# Altium PCB CSI2-ZCU106-EVK_Rev01.PcbDoc (part 4 of 4) (continued)
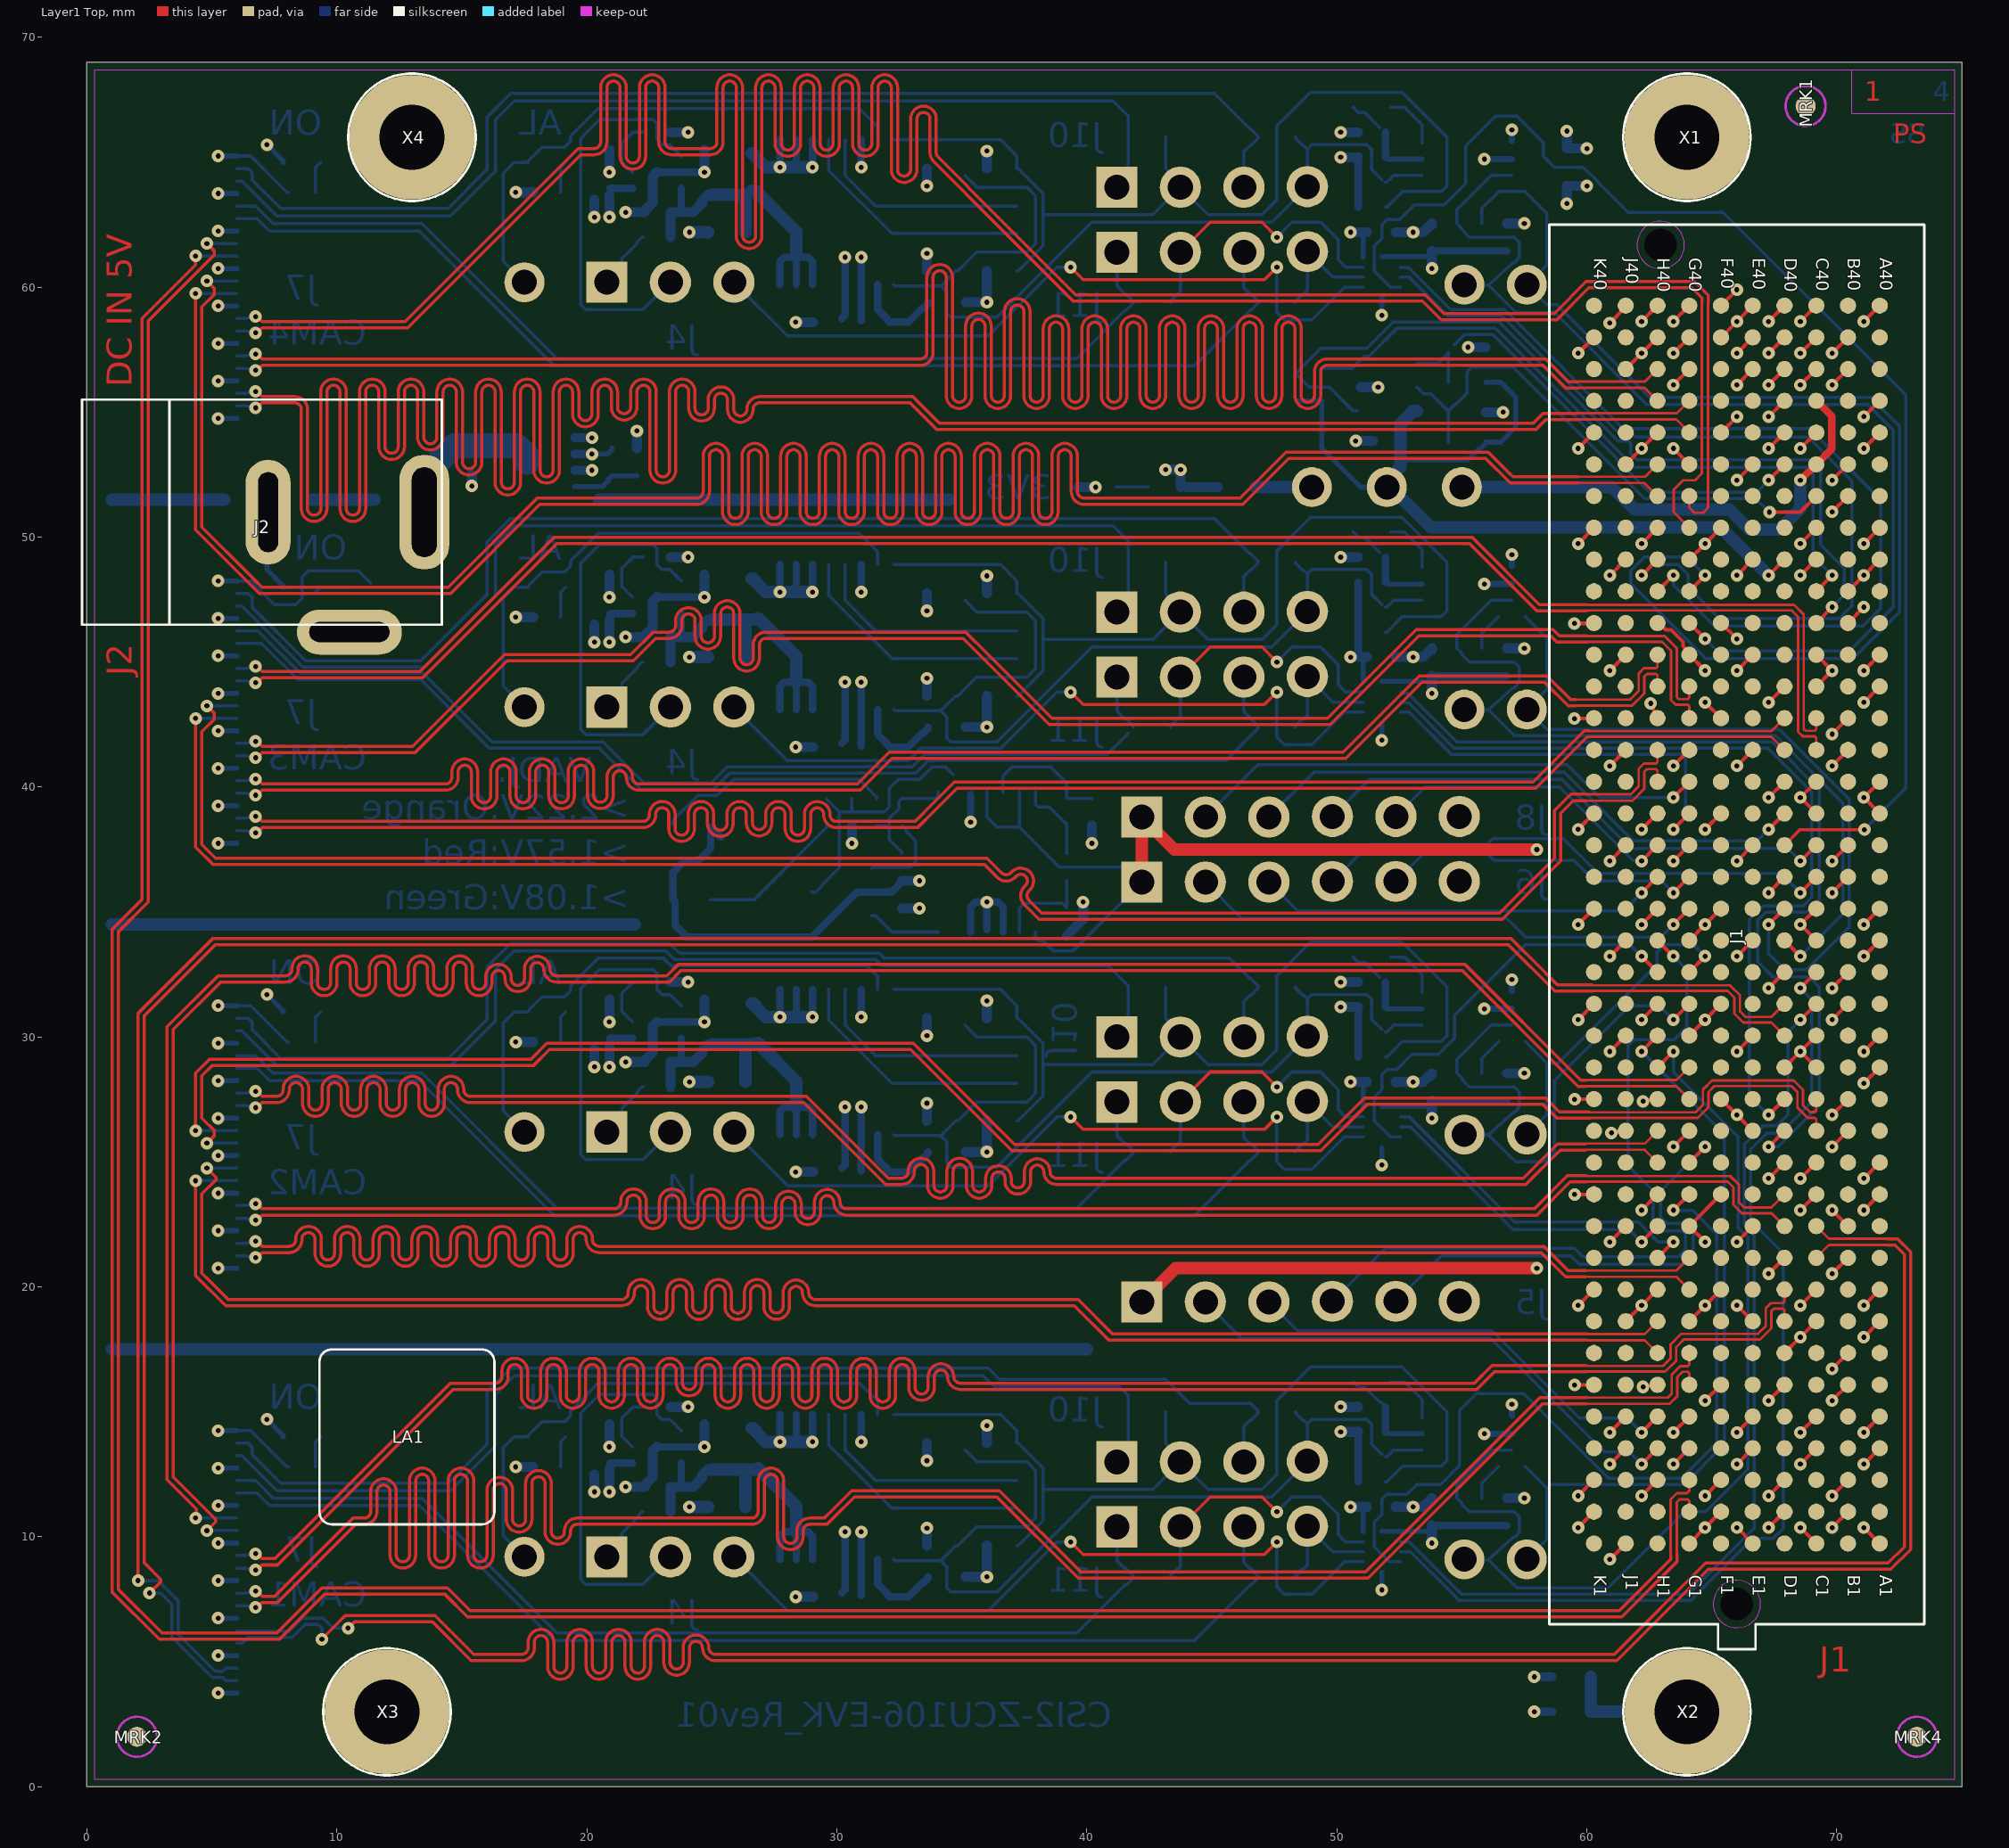
[diagram p0: Layer1 Top view]
## Nets (pads, with @x,y where several pads share a name; then routed paths per layer and width w, separated by ;. In a path a pad name is that pad's centre, name@x,y a point inside that pad or via, vN(x,y) a via of type N, cw(c..) or ccw(c..) an arc to the next point about the centre after c; other vN are vias at no path point) (continued)
SDA: J1.C31 R14.1 U2.3 | length 28
  Layer1 Top w0.15: J1.C31@69.175,47.835 v1(69.81,48.47)
  Layer4 Bottom w0.125: R14.1@49.4,56.75 50.6,56.75 U2.3@50.8,56.95 51.083,57.233 51.283,57.233 52.4,58.35 56.35,58.35 61.9,52.8 68.8,52.8 69.05,52.55 69.05,49.23 v1(69.81,48.47)
TCK: J1.D29
TDI: J1.D30
TDO: J1.D31
TMS: J1.D33
TRST_L: J1.D34
VADJ-FMC: J1.E39 J1.F40 J1.G39 J1.H40 J5.1 J6.1 J8.1 R17.1 U1.4 U1.6 U1.8 | length 55.8
  Layer1 Top w0.15: v1(62.19,58.63) J1.H40@62.825,59.265 ; v1(63.46,57.36) J1.G39@64.095,57.995 ; J1.F40@65.365,59.265 v1(66,59.9) ; v1(66,57.36) J1.E39@66.635,57.995
  Layer1 Top w0.5: J5.1@42.2,19.4 43.55,20.75 v1(58,20.75) ; J6.1@42.2,36.2 J8.1@42.2,38.8 43.5,37.5 v1(58,37.5)
  Layer4 Bottom w0.125: U1.4@36,39.8 36,38.8 36.4,38.4 37.3,38.4 ; U1.6@37.3,39.8 37.3,38.4 ; U1.8@37.95,34.2 37.95,33.965 38.054,33.861 38.239,33.861 38.65,33.45 39.45,33.45 J6.1@42.2,36.2 41.6,36.8 38.9,36.8 37.3,38.4
  Layer4 Bottom w0.4: v1(59.2,63.35) R17.1@59.2,64.05 ; R17.1@59.3,64.05 v1(60,64.05)
VCC1V2: C17_CAM1.1 C17_CAM2.1 C17_CAM3.1 C17_CAM4.1 C19_CAM1.1 C19_CAM2.1 C19_CAM3.1 C19_CAM4.1 R17.2 R52_CAM1.1 R52_CAM2.1 R52_CAM3.1 R52_CAM4.1 R53_CAM1.1 R53_CAM2.1 R53_CAM3.1 R53_CAM4.1 U8_CAM1.2 U8_CAM2.2 U8_CAM3.2 U8_CAM4.2 U9_CAM1.1 U9_CAM1.12 U9_CAM2.1 U9_CAM2.12 U9_CAM3.1 U9_CAM3.12 U9_CAM4.1 U9_CAM4.12 | length 28.4
  Layer4 Bottom w0.2: U9_CAM1.12@51.8,10.225 C19_CAM1.1@53.75,10.225 ; U9_CAM2.12@51.8,27.225 C19_CAM2.1@53.75,27.225 ; U9_CAM3.12@51.8,44.225 C19_CAM3.1@53.75,44.225 ; U9_CAM4.12@51.8,61.225 52.55,61.225 C19_CAM4.1@53.75,61.225
  Layer4 Bottom w0.25: v1(55.9,14.125) U8_CAM1.2@57,14.125 ; v1(55.9,31.125) U8_CAM2.2@57,31.125 ; v1(55.9,48.125) U8_CAM3.2@57,48.125 ; v1(55.9,65.125) U8_CAM4.2@57,65.125
  Layer4 Bottom w0.3: C19_CAM1.1@53.8,10.45 R53_CAM1.1@54.8,10.45 R52_CAM1.1@55.8,10.45 C17_CAM1.1@56.8,10.45 ; C19_CAM2.1@53.8,27.45 R53_CAM2.1@54.8,27.45 R52_CAM2.1@55.8,27.45 C17_CAM2.1@56.8,27.45 ; C19_CAM3.1@53.8,44.45 R53_CAM3.1@54.8,44.45 R52_CAM3.1@55.8,44.45 C17_CAM3.1@56.8,44.45 ; C19_CAM4.1@53.8,61.45 R53_CAM4.1@54.8,61.45 R52_CAM4.1@55.8,61.45 C17_CAM4.1@56.8,61.45
  Layer4 Bottom w0.4: v1(53.8,9.75) C19_CAM1.1@53.8,10.45 ; v1(53.8,26.75) C19_CAM2.1@53.8,27.45 ; v1(53.8,43.75) C19_CAM3.1@53.8,44.45 ; v1(53.8,60.75) 53.8,61.225 C19_CAM4.1@53.8,61.45 ; R17.2@59.2,65.55 v1(59.2,66.25) ; R17.2@59.3,65.55 v1(60,65.55)
VCC3V3: C20_CAM1.1 C20_CAM2.1 C20_CAM3.1 C20_CAM4.1 D3.2 D3.4 R1.1 R2.1 R3.1 R4.1 R5.1 R30.2 R34_CAM1.1 R34_CAM2.1 R34_CAM3.1 R34_CAM4.1 R35_CAM1.1 R35_CAM2.1 R35_CAM3.1 R35_CAM4.1 R38_CAM1.1 R38_CAM2.1 R38_CAM3.1 R38_CAM4.1 R43_CAM1.1 R43_CAM2.1 R43_CAM3.1 R43_CAM4.1 R51_CAM1.2 R51_CAM2.2 R51_CAM3.2 R51_CAM4.2 R54_CAM1.2 R54_CAM2.2 R54_CAM3.2 R54_CAM4.2 R55_CAM1.2 R55_CAM2.2 R55_CAM3.2 R55_CAM4.2 U1.3 U9_CAM1.11 U9_CAM2.11 U9_CAM3.11 U9_CAM4.11 | length 54.3
  Layer4 Bottom w0.2: U9_CAM1.11@51.05,10.2 51.05,10.933 51.05,11.05 51.2,11.2 C20_CAM1.1@51.25,11.2 ; U9_CAM2.11@51.05,27.2 51.05,27.933 51.05,28.05 51.2,28.2 C20_CAM2.1@51.25,28.2 ; U9_CAM3.11@51.05,44.2 51.05,44.933 51.05,45.05 51.2,45.2 C20_CAM3.1@51.25,45.2 ; U9_CAM4.11@51.05,61.2 51.05,61.933 51.05,62.05 51.2,62.2 C20_CAM4.1@51.25,62.2
  Layer4 Bottom w0.3: D3.4@25.35,38 24.95,38.4 24.95,37.55 24.45,37.05 23.9,37.05 23.45,36.6 D3.2@23.45,35.5 23.524,35.426 23.524,34.476 24,34 29,34 30.8,35.8 32.2,35.8 32.5,36.1 32.5,36.15 R4.1@32.6,36.25 ; v1(35.35,38.6) U1.3@35.35,39.7 ; R55_CAM1.2@50.85,12.2 R54_CAM1.2@50.85,13.2 R51_CAM1.2@50.85,14.2 ; R55_CAM2.2@50.85,29.2 R54_CAM2.2@50.85,30.2 R51_CAM2.2@50.85,31.2 ; 50.85,45.25 R55_CAM3.2@50.85,46.2 R54_CAM3.2@50.85,47.2 R51_CAM3.2@50.85,48.2 ; R55_CAM4.2@50.85,63.2 R54_CAM4.2@50.85,64.2 R51_CAM4.2@50.85,65.2
  Layer4 Bottom w0.4: v1(17.15,12.8) R43_CAM1.1@17.85,12.8 ; v1(17.15,29.8) R43_CAM2.1@17.85,29.8 ; v1(17.15,46.8) R43_CAM3.1@17.85,46.8 ; v1(17.15,63.8) R43_CAM4.1@17.85,63.8 ; v1(30.6,37.75) R5.1@30.6,38.45 ; R3.1@32.6,35.15 v1(33.3,35.15) ; R4.1@32.6,36.25 v1(33.3,36.25) ; R38_CAM1.1@35.15,8.4 v1(36,8.4) R35_CAM1.1@36,9.65 ; R38_CAM2.1@35.15,25.4 v1(36,25.4) R35_CAM2.1@36,26.65 ; R38_CAM3.1@35.15,42.4 v1(36,42.4) R35_CAM3.1@36,43.65 ; R38_CAM4.1@35.15,59.4 v1(36,59.4) R35_CAM4.1@36,60.65 ; R34_CAM1.1@36,13.75 v1(36,14.45) ; R34_CAM2.1@36,30.75 v1(36,31.45) ; R34_CAM3.1@36,47.75 v1(36,48.45) ; R34_CAM4.1@36,64.75 v1(36,65.45) ; v1(40.2,37.75) R1.1@40.2,38.45 ; v1(43.15,52.7) v1(43.75,52.7) R2.1@43.75,52 ; R2.1@43.95,52 44.6,52 45.2,52 R30.2@45.25,52 ; v1(50.15,14.2) R51_CAM1.2@50.85,14.2 ; v1(50.15,31.2) R51_CAM2.2@50.85,31.2 ; v1(50.15,65.2) R51_CAM4.2@50.85,65.2 ; v1(50.55,11.2) C20_CAM1.1@51.2,11.2 ; v1(50.55,28.2) C20_CAM2.1@51.2,28.2 ; v1(50.55,45.2) C20_CAM3.1@51.2,45.2 ; v1(50.55,62.2) C20_CAM4.1@51.2,62.2
VCC3V3-FMC: J1.C39 J1.D36 J1.D38 J1.D40 R30.1 TP1.1 | length 5.8
  Layer1 Top w0.15: v1(67.27,53.55) J1.D36@67.905,54.185 ; v1(67.27,56.09) J1.D38@67.905,56.725 ; v1(67.27,58.63) J1.D40@67.905,59.265 ; v1(68.54,57.36) J1.C39@69.175,57.995
  Layer4 Bottom w0.5: R30.1@46.75,52 TP1.1@49,52
VCC3V3AUX-FMC: C2.1 J1.D32 R13.2 R14.2 R19.1 R20.1 TP2.1 U2.6 | length 35.2
  Layer1 Top w0.15: v1(67.27,48.47) J1.D32@67.905,49.105
  Layer4 Bottom w0.2: R13.2@48.4,55.45 R14.2@49.4,55.45 49.4,53.55 50.95,52 TP2.1@52,52 ; 52.55,53.1 55.25,53.1 55.65,53.5 55.7,53.5 55.95,53.75 R20.1@55.95,53.8 56.55,53.8 57.15,54.4 57.15,55.6 56.55,56.2 R19.1@55.95,56.2
  Layer4 Bottom w0.5: U2.6@53.2,55.05 53.05,55.05 52.95,54.95 52.95,54.937 52.55,54.538 C2.1@52.55,53.8 52.55,53.1 52.55,52.801 52,52.251 TP2.1@52,52 52.15,52 53.75,50.4 65.34,50.4 v1(67.27,48.47)
VCC5V-CAM_CAM1: C14_CAM1.1 C16_CAM1.1 R18_CAM1.2 R33_CAM1.1 R44_CAM1.1 U6_CAM1.14 U6_CAM1.15 U6_CAM1.16 U7_CAM1.6 | length 14.7
  Layer4 Bottom w0.3: 23.775,12.05 U7_CAM1.6@23.775,12.95 ; U6_CAM1.16@27.725,9.1 27.725,10.024 27.901,10.2 28.375,10.2 ; U6_CAM1.15@28.375,9.1 28.375,10.2 ; U6_CAM1.14@29.025,9.1 29.025,10.024 28.849,10.2 28.375,10.2
  Layer4 Bottom w0.4: R44_CAM1.1@23.35,11 C16_CAM1.1@23.35,12 24.25,12 24.6,12.35 24.6,12.45 24.85,12.7 C14_CAM1.1@25,12.7
  Layer4 Bottom w0.5: C14_CAM1.1@25,12.7 R33_CAM1.1@26.75,12.7 ; R18_CAM1.2@26.35,11.2 R33_CAM1.1@26.35,12.7 ; R33_CAM1.1@26.85,12.75 28.375,11.225 28.375,10.2
VCC5V-CAM_CAM2: C14_CAM2.1 C16_CAM2.1 R18_CAM2.2 R33_CAM2.1 R44_CAM2.1 U6_CAM2.14 U6_CAM2.15 U6_CAM2.16 U7_CAM2.6 | length 14.7
  Layer4 Bottom w0.3: 23.775,29.05 U7_CAM2.6@23.775,29.95 ; U6_CAM2.16@27.725,26.1 27.725,27.024 27.901,27.2 28.375,27.2 ; U6_CAM2.15@28.375,26.1 28.375,27.2 ; U6_CAM2.14@29.025,26.1 29.025,27.024 28.849,27.2 28.375,27.2
  Layer4 Bottom w0.4: R44_CAM2.1@23.35,28 C16_CAM2.1@23.35,29 24.25,29 24.6,29.35 24.6,29.45 24.85,29.7 C14_CAM2.1@25,29.7
  Layer4 Bottom w0.5: C14_CAM2.1@25,29.7 R33_CAM2.1@26.75,29.7 ; R18_CAM2.2@26.35,28.2 R33_CAM2.1@26.35,29.7 ; R33_CAM2.1@26.85,29.75 28.375,28.225 28.375,27.2
VCC5V-CAM_CAM3: C14_CAM3.1 C16_CAM3.1 R18_CAM3.2 R33_CAM3.1 R44_CAM3.1 U6_CAM3.14 U6_CAM3.15 U6_CAM3.16 U7_CAM3.6 | length 14.7
  Layer4 Bottom w0.3: 23.775,46.05 U7_CAM3.6@23.775,46.95 ; U6_CAM3.16@27.725,43.1 27.725,44.024 27.901,44.2 28.375,44.2 ; U6_CAM3.15@28.375,43.1 28.375,44.2 ; U6_CAM3.14@29.025,43.1 29.025,44.024 28.849,44.2 28.375,44.2
  Layer4 Bottom w0.4: R44_CAM3.1@23.35,45 C16_CAM3.1@23.35,46 24.25,46 24.6,46.35 24.6,46.45 24.85,46.7 C14_CAM3.1@25,46.7
  Layer4 Bottom w0.5: C14_CAM3.1@25,46.7 R33_CAM3.1@26.75,46.7 ; R18_CAM3.2@26.35,45.2 R33_CAM3.1@26.35,46.7 ; R33_CAM3.1@26.85,46.75 28.375,45.225 28.375,44.2
VCC5V-CAM_CAM4: C14_CAM4.1 C16_CAM4.1 R18_CAM4.2 R33_CAM4.1 R44_CAM4.1 U6_CAM4.14 U6_CAM4.15 U6_CAM4.16 U7_CAM4.6 | length 14.7
  Layer4 Bottom w0.3: 23.775,63.05 U7_CAM4.6@23.775,63.95 ; U6_CAM4.16@27.725,60.1 27.725,61.024 27.901,61.2 28.375,61.2 ; U6_CAM4.15@28.375,60.1 28.375,61.2 ; U6_CAM4.14@29.025,60.1 29.025,61.024 28.849,61.2 28.375,61.2
  Layer4 Bottom w0.4: R44_CAM4.1@23.35,62 C16_CAM4.1@23.35,63 23.775,63 24.25,63 24.6,63.35 24.6,63.45 24.85,63.7 C14_CAM4.1@25,63.7
  Layer4 Bottom w0.5: C14_CAM4.1@25,63.7 R33_CAM4.1@26.35,63.7 ; R18_CAM4.2@26.35,62.2 R33_CAM4.1@26.35,63.7 ; R33_CAM4.1@26.4,63.7 R33_CAM4.1@26.35,63.7 ; R33_CAM4.1@26.6,63.85 26.75,63.85 26.75,63.75 26.85,63.75 28.375,62.225 28.375,61.2
VCC5V-EXT: C1_CAM1.1 C1_CAM2.1 C1_CAM3.1 C1_CAM4.1 Q2.S R31.1 R33_CAM1.2 R33_CAM2.2 R33_CAM3.2 R33_CAM4.2 U6_CAM1.1 U6_CAM1.2 U6_CAM1.3 U6_CAM1.12 U6_CAM2.1 U6_CAM2.2 U6_CAM2.3 U6_CAM2.12 U6_CAM3.1 U6_CAM3.2 U6_CAM3.3 U6_CAM3.12 U6_CAM4.1 U6_CAM4.2 U6_CAM4.3 U6_CAM4.12 | length 37
  Layer4 Bottom w0.2: v1(20.2,53.325) 20.775,53.325 20.8,53.35 20.85,53.35 21,53.5 R31.1@21,53.55
  Layer4 Bottom w0.3: v1(27.725,13.8) U6_CAM1.1@27.725,14.9 ; v1(27.725,30.8) U6_CAM2.1@27.725,31.9 ; v1(27.725,47.8) U6_CAM3.1@27.725,48.9 ; v1(27.725,64.8) U6_CAM4.1@27.725,65.9 ; 28.375,13.8 U6_CAM1.2@28.375,14.9 ; 28.375,30.8 U6_CAM2.2@28.375,31.9 ; 28.375,47.8 U6_CAM3.2@28.375,48.9 ; 28.375,64.8 U6_CAM4.2@28.375,65.9 ; v1(29.025,13.8) U6_CAM1.3@29.025,14.9 ; v1(29.025,30.8) U6_CAM2.3@29.025,31.9 ; v1(29.025,47.8) U6_CAM3.3@29.025,48.9 ; v1(29.025,64.8) U6_CAM4.3@29.025,65.9 ; C1_CAM1.1@30.2,7.75 30.325,7.875 U6_CAM1.12@30.325,9.1 v1(30.325,10.2) ; C1_CAM2.1@30.2,24.75 30.325,24.875 U6_CAM2.12@30.325,26.1 v1(30.325,27.2) ; C1_CAM3.1@30.2,41.75 30.325,41.875 v1(30.325,44.2) ; C1_CAM4.1@30.2,58.75 30.325,58.875 U6_CAM4.12@30.325,60.1 v1(30.325,61.2)
  Layer4 Bottom w0.35: Q2.S@19.5,52.675 v1(20.2,52.675) ; Q2.S@19.5,53.325 v1(20.2,53.325) ; Q2.S@19.5,53.975 v1(20.2,53.975)
  Layer4 Bottom w0.5: R33_CAM1.2@26.6,14.35 26.65,14.35 26.75,14.25 26.75,14.2 27.15,13.8 v1(27.725,13.8) 28.375,13.8 v1(29.025,13.8) ; R33_CAM2.2@26.6,31.35 26.65,31.35 26.75,31.25 26.75,31.2 27.15,30.8 v1(27.725,30.8) 28.375,30.8 v1(29.025,30.8) ; R33_CAM3.2@26.6,48.35 26.65,48.35 26.75,48.25 26.75,48.2 27.15,47.8 v1(27.725,47.8) 28.375,47.8 v1(29.025,47.8) ; R33_CAM4.2@26.6,65.35 26.65,65.35 26.75,65.25 26.75,65.2 27.15,64.8 v1(27.725,64.8) 28.375,64.8 v1(29.025,64.8)
VCC12V-FMC: J1.C35 J1.C37 TP3.1 | length 19.7
  Layer1 Top w0.3: v1(68.54,52.28) J1.C35@69.175,52.915 69.8,53.54 69.8,54.83 J1.C37@69.175,55.455
  Layer4 Bottom w0.5: TP3.1@55,52 61,52 61.9,51.1 65.7,51.1 66.5,50.3 67.7,50.3 68.54,51.14 v1(68.54,52.28)
VCC-EXT-IN_CAM1: C15_CAM1.1 J7_CAM1.1 J7_CAM1.4 J7_CAM1.7 R18_CAM1.1 R45_CAM1.1 U7_CAM1.1 | length 8.2
  Layer4 Bottom w0.125: J7_CAM1.1@6,14.25 6.55,14.25 8,12.8 R45_CAM1.1@8.05,12.8
  Layer4 Bottom w0.2: v1(5.25,11.25) J7_CAM1.7@6,11.25 ; v1(5.25,12.75) J7_CAM1.4@6,12.75 ; v1(5.25,14.25) J7_CAM1.1@6,14.25
  Layer4 Bottom w0.3: C15_CAM1.1@20.925,12.95 U7_CAM1.1@21.825,12.95
  Layer4 Bottom w0.4: v1(20.3,11.8) C15_CAM1.1@20.3,12.5 ; v1(20.9,11.8) C15_CAM1.1@20.9,12.7
  Layer4 Bottom w0.5: v1(24.1,11.2) R18_CAM1.1@24.85,11.2
VCC-EXT-IN_CAM2: C15_CAM2.1 J7_CAM2.1 J7_CAM2.4 J7_CAM2.7 R18_CAM2.1 R45_CAM2.1 U7_CAM2.1 | length 8.2
  Layer4 Bottom w0.125: J7_CAM2.1@6,31.25 6.55,31.25 8,29.8 R45_CAM2.1@8.05,29.8
  Layer4 Bottom w0.2: v1(5.25,28.25) J7_CAM2.7@6,28.25 ; v1(5.25,29.75) J7_CAM2.4@6,29.75 ; v1(5.25,31.25) J7_CAM2.1@6,31.25
  Layer4 Bottom w0.3: C15_CAM2.1@20.925,29.95 U7_CAM2.1@21.825,29.95
  Layer4 Bottom w0.4: v1(20.3,28.8) C15_CAM2.1@20.3,29.5 ; v1(20.9,28.8) C15_CAM2.1@20.9,29.7
  Layer4 Bottom w0.5: v1(24.1,28.2) R18_CAM2.1@24.85,28.2
VCC-EXT-IN_CAM3: C15_CAM3.1 J7_CAM3.1 J7_CAM3.4 J7_CAM3.7 R18_CAM3.1 R45_CAM3.1 U7_CAM3.1 | length 12.5
  Layer4 Bottom w0.125: J7_CAM3.1@6,48.25 6.55,48.25 7.5,47.3 8.35,47.3 8.6,47.55 8.6,48.4 8.85,48.65 10.85,48.65 R45_CAM3.1@11.35,48.15
  Layer4 Bottom w0.2: v1(5.25,45.25) J7_CAM3.7@6,45.25 ; v1(5.25,46.75) J7_CAM3.4@6,46.75 ; v1(5.25,48.25) J7_CAM3.1@6,48.25
  Layer4 Bottom w0.3: C15_CAM3.1@20.925,46.95 U7_CAM3.1@21.825,46.95
  Layer4 Bottom w0.4: v1(20.3,45.8) C15_CAM3.1@20.3,46.5 ; v1(20.9,45.8) C15_CAM3.1@20.9,46.7
  Layer4 Bottom w0.5: v1(24.1,45.2) R18_CAM3.1@24.85,45.2
VCC-EXT-IN_CAM4: C15_CAM4.1 J7_CAM4.1 J7_CAM4.4 J7_CAM4.7 R18_CAM4.1 R45_CAM4.1 U7_CAM4.1 | length 8.2
  Layer4 Bottom w0.125: J7_CAM4.1@6,65.25 6.55,65.25 8,63.8 R45_CAM4.1@8.05,63.8
  Layer4 Bottom w0.2: v1(5.25,62.25) J7_CAM4.7@6,62.25 ; v1(5.25,63.75) J7_CAM4.4@6,63.75 ; v1(5.25,65.25) J7_CAM4.1@6,65.25
  Layer4 Bottom w0.3: C15_CAM4.1@20.925,63.95 U7_CAM4.1@21.825,63.95
  Layer4 Bottom w0.4: v1(20.3,62.8) C15_CAM4.1@20.3,63.5 ; v1(20.9,62.8) C15_CAM4.1@20.9,63.7
  Layer4 Bottom w0.5: v1(24.1,62.2) R18_CAM4.1@24.85,62.2
VIO_B_M2C1: J1.J39
VIO_B_M2C2: J1.K40
VREF_A_M2C: J1.H1
VREF_B_M2C: J1.K1
pads on no net: J1.1 J1.2 J7_CAM1.23 J7_CAM1.24 J7_CAM2.23 J7_CAM2.24 J7_CAM3.23 J7_CAM3.24 J7_CAM4.23 J7_CAM4.24 MRK1.1 MRK2.1 MRK3.1 MRK4.1 MRK5.1 MRK6.1 U1.13 U6_CAM1.13 U6_CAM2.13 U6_CAM3.13 U6_CAM4.13 U7_CAM1.3 U7_CAM2.3 U7_CAM3.3 U7_CAM4.3 U9_CAM1.5 U9_CAM1.7 U9_CAM2.5 U9_CAM2.7 U9_CAM3.5 U9_CAM3.7 U9_CAM4.5 U9_CAM4.7 X1.1 X3.1 X4.1
copper on no net: | length 80.9
  Layer4 Bottom w0.5: 1,17.5 40,17.5 ; 1,34.5 21.9,34.5 ; 1,51.5 5.5,51.5 ; 9,51.5 11.5,51.5 ; 20.5,51.5 34.5,51.5

## Polygon pours and split planes (outlines as drawn)
VADJ-FMC on Layer3 "NONET_L02_P-001" (solid, remove dead copper, pour order 8): 58.75,64.75 58.75,53.75 66.5,53.75 66.5,59.5 69.5,59.5 69.5,50.5 57.75,50.5 57.75,38 57.75,18.5 75,18.5 75,69 64.25,69 64.25,64.75
VCC1V2 on Layer3 "NONET_L02_P-001" (solid, remove dead copper, pour order 9): 63.75,69 63.75,65 58.5,65 58.5,53.75 47.5,53.75 47.5,50.5 57.5,50.5 57.5,8.25 51,8.25 51,46.5 44.5,46.5 44.5,59 51,59 51,69
VCC3V3 on Layer3 "NONET_L02_P-001" (solid, remove dead copper, pour order 7): 16.5,12.5 16.5,27.5 24.25,27.5 24.25,29.5 16.5,29.5 16.5,44.5 24.25,44.5 24.25,46.5 16.5,46.5 16.5,61.5 24.25,61.5 24.25,63.5 16.5,63.5 16.5,69 50.75,69 50.75,59.25 44.25,59.25 44.25,46.25 50.75,46.25 50.75,8.25 30.75,8.25 30.75,65.5 27,65.5 27,54.75 19.5,54.75 19.5,52 25,52 25,12.5
GND on Layer3 "NONET_L02_P-001" (solid, remove dead copper, pour order 10): 0,69 16.25,69 16.25,66 4.5,66 4.5,61.5 16.25,61.5 16.25,49 4.5,49 4.5,44.5 16.25,44.5 16.25,32 4.5,32 4.5,27.5 16.25,27.5 16.25,15 4.5,15 4.5,10.5 21.5,10.5 25,10.5 25,9.5 30.5,9.5 30.5,8 57.75,8 57.75,18.25 75,18.25 75,0 0,0
VCC3V3-FMC on Layer3 "NONET_L02_P-001" (solid, remove dead copper, pour order 6): 47.75,50.75 47.75,53.5 66.75,53.5 66.75,59.25 69.25,59.25 69.25,50.75
VCC-EXT-IN_CAM4 on Layer3 "NONET_L02_P-001" (solid, remove dead copper, pour order 5): 24,63.25 16.25,63.25 16.25,65.75 4.75,65.75 4.75,61.75 24,61.75
VCC-EXT-IN_CAM3 on Layer3 "NONET_L02_P-001" (solid, remove dead copper, pour order 4): 24,46.25 16.25,46.25 16.25,48.75 4.75,48.75 4.75,44.75 24,44.75
VCC-EXT-IN_CAM2 on Layer3 "NONET_L02_P-001" (solid, remove dead copper, pour order 3): 24,29.25 16.25,29.25 16.25,31.75 4.75,31.75 4.75,27.75 24,27.75
VCC-EXT-IN_CAM1 on Layer3 "NONET_L02_P-001" (solid, remove dead copper, pour order 2): 25,12.25 16.25,12.25 16.25,14.75 4.75,14.75 4.75,10.75 25,10.75
VCC5V-EXT on Layer3 "NONET_L02_P-001" (solid, remove dead copper, pour order 1): 19.75,54.5 27.25,54.5 27.25,65.25 30.5,65.25 30.5,9.75 25.25,9.75 25.25,52.25 20,52.25 19.75,52.25
GND on Layer2 "NONET_L02_P-001" (solid, remove dead copper, pour order 0): 0,0 0,69 75,69 75,0

## Keep-outs
Keep-Out Layer:
  lines w0.025: 70.6,68.7 70.6,66.95 74.7,66.95 ; 0.3,0.3 0.3,68.7 74.7,68.7 74.7,0.3 0.3,0.3

## Other copper
Layer1 Top:
  text "1" at 71.1,67.45 h0.8
  text "PS" at 72.25,65.75 h0.8
  text "DC IN 5V" at 1.8,56 h1 r90
  text "J2" at 1.8,44.45 h1 r90
  text "J1" at 69.3,4.6 h1
Layer2:
  text "2" at 71.85,67.45 h0.8
  text "Layer 2" at 34,-16 h0.9
Layer3:
  text "3" at 72.85,67.45 h0.8
  text "Layer 3" at 34,-16 h0.9
Layer4 Bottom:
  text "4" at 73.85,67.45 h0.8
  text "ON" at 9.4,66.1 h1
  text "AL" at 19,66.1 h1
  text "SS" at 73.5,65.75 h0.8
  text "J10" at 40.6,65.6 h1
  text "J7" at 9.2,59.5 h1
  text "J11" at 40.6,58.8 h1
  text "CAM4" at 11.2,57.7 h1
  text "J4" at 24.4,57.5 h1
  text "3V3" at 38.6,51.5 h1
  text "ON" at 10.4,49.1 h1
  text "AL" at 19,49.1 h1
  text "J10" at 40.6,48.6 h1
  text "J7" at 9.2,42.5 h1
  text "J11" at 40.6,41.8 h1
  text "CAM3" at 11.2,40.7 h1
  text "J4" at 24.4,40.5 h1
  text "VADJ:" at 20.2,40.2 h1
  text ">2.22V:Orange" at 21.7,38.7 h1
  text "J8" at 58.4,38.3 h1
  text ">1.57V:Red" at 21.7,36.9 h1
  text "J6" at 58.4,35.7 h1
  text ">1.08V:Green" at 21.7,35.1 h1
  text "ON" at 9.4,32.1 h1
  text "AL" at 19,32.1 h1
  text "J10" at 38.6,29.25 h1 r270
  text "J7" at 9.2,25.5 h1
  text "J11" at 40.6,24.8 h1
  text "CAM2" at 11.2,23.7 h1
  text "J4" at 24.4,23.5 h1
  text "J5" at 58.4,18.9 h1
  text "ON" at 9.4,15.1 h1
  text "AL" at 19,15.1 h1
  text "J10" at 40.6,14.6 h1
  text "J7" at 9.2,9 h1
  text "J11" at 40.6,7.8 h1
  text "CAM1" at 11.2,7.2 h1
  text "J4" at 24.4,6.5 h1
  text "CSI2-ZCU106-EVK_Rev01" at 41,2.4 h1

## Silkscreen, mask and mechanical layers (free items; w line width, h text height)
Top Solder:
  text "DC IN 5V" at 1.8,56 h1 r90
  text "J2" at 1.8,44.45 h1 r90
  text "J1" at 69.3,4.6 h1
Bottom Solder:
  lines w0.6: 1,17.5 40,17.5 ; 1,34.5 21.9,34.5 ; 1,51.5 5.5,51.5 ; 9,51.5 11.5,51.5 ; 20.5,51.5 34.5,51.5
  text "ON" at 9.4,66.1 h1
  text "AL" at 19,66.1 h1
  text "J10" at 40.6,65.6 h1
  text "J7" at 9.2,59.5 h1
  text "J11" at 40.6,58.8 h1
  text "CAM4" at 11.2,57.7 h1
  text "J4" at 24.4,57.5 h1
  text "3V3" at 38.6,51.5 h1
  text "ON" at 10.4,49.1 h1
  text "AL" at 19,49.1 h1
  text "J10" at 40.6,48.6 h1
  text "J7" at 9.2,42.5 h1
  text "J11" at 40.6,41.8 h1
  text "CAM3" at 11.2,40.7 h1
  text "J4" at 24.4,40.5 h1
  text "VADJ:" at 20.2,40.2 h1
  text ">2.22V:Orange" at 21.7,38.7 h1
  text "J8" at 58.4,38.3 h1
  text ">1.57V:Red" at 21.7,36.9 h1
  text "J6" at 58.4,35.7 h1
  text ">1.08V:Green" at 21.7,35.1 h1
  text "ON" at 9.4,32.1 h1
  text "AL" at 19,32.1 h1
  text "J10" at 38.6,29.25 h1 r270
  text "J7" at 9.2,25.5 h1
  text "J11" at 40.6,24.8 h1
  text "CAM2" at 11.2,23.7 h1
  text "J4" at 24.4,23.5 h1
  text "J5" at 58.4,18.9 h1
  text "ON" at 9.4,15.1 h1
  text "AL" at 19,15.1 h1
  text "J10" at 40.6,14.6 h1
  text "J7" at 9.2,9 h1
  text "J11" at 40.6,7.8 h1
  text "CAM1" at 11.2,7.2 h1
  text "J4" at 24.4,6.5 h1
  text "CSI2-ZCU106-EVK_Rev01" at 41,2.4 h1
Mechanical 1:
  the board outline again, w0.025
Drill Drawing:
  circle w0.1: c-54.867,4.839 r0.389
  lines w0.1: -55.948,-1.325 -4.435,-1.325 ; -55.948,9.175 -4.435,9.175 ; -55.506,55.5 -50.93,55.5 -40.8,55.5 -32.034,55.5 -25.206,55.5 -18.703,55.5 ; -55.506,57.1 -50.93,57.1 -40.8,57.1 -32.034,57.1 -25.206,57.1 -18.703,57.1 ; -55.506,58.7 -50.93,58.7 -40.8,58.7 -32.034,58.7 -25.206,58.7 -18.703,58.7 ; -55.506,60.3 -50.93,60.3 -40.8,60.3 -32.034,60.3 -25.206,60.3 -18.703,60.3 ; -55.506,61.9 -50.93,61.9 -40.8,61.9 -32.034,61.9 -25.206,61.9 -18.703,61.9 ; -55.506,63.5 -50.93,63.5 -40.8,63.5 -32.034,63.5 -25.206,63.5 -18.703,63.5 ; -55.506,65.1 -50.93,65.1 -40.8,65.1 -32.034,65.1 -25.206,65.1 -18.703,65.1 ; -55.506,66.7 -50.93,66.7 -40.8,66.7 -32.034,66.7 -25.206,66.7 -18.703,66.7 ; -55.506,68.3 -50.93,68.3 -40.8,68.3 -32.034,68.3 -25.206,68.3 -18.703,68.3 ; -55.506,69.9 -50.93,69.9 -40.8,69.9 -32.034,69.9 -25.206,69.9 -18.703,69.9 ; -55.506,71.5 -18.703,71.5 ; -50.93,73.1 -50.93,53.9 ; -50.138,-3.075 -50.138,10.925 ; -43.389,-3.075 -43.389,10.925 ; -40.8,73.1 -40.8,53.9 ; -32.034,73.1 -32.034,53.9 ; -31.685,-3.075 -31.685,10.925 ; -27.108,-3.075 -27.108,10.925 ; -25.206,73.1 -25.206,53.9 ; -20.287,-3.075 -20.287,10.925 ; -50.93,53.9 -55.506,53.9 -55.506,73.1 -18.703,73.1 -18.703,53.9 -25.206,53.9 ; -50.93,53.9 -40.8,53.9 ; -40.8,53.9 -32.034,53.9 ; -32.034,53.9 -25.206,53.9 ; -55.948,-3.075 -4.435,-3.075 -4.435,10.925 -55.948,10.925 -55.948,-3.075 ; -55.256,0.95 -55.256,1.145 -55.061,1.339 -55.256,1.533 -55.256,1.728 -55.061,1.728 -54.867,1.533 -54.672,1.728 -54.478,1.728 -54.478,1.533 -54.672,1.339 -54.478,1.145 -54.478,0.95 -54.672,0.95 -54.867,1.145 -55.061,0.95 -55.256,0.95 ; -55.256,2.7 -54.867,2.895 -54.478,2.7 -54.672,3.089 -54.478,3.478 -54.867,3.283 -55.256,3.478 -55.061,3.089 -55.256,2.7 ; -55.256,6.978 -54.478,6.978 -54.867,6.2 -55.256,6.978 ; -55.256,7.95 -54.478,7.95 -54.478,8.728 -55.256,8.728 -55.256,7.95 ; -55.1,1.106 -55.1,1.222 -54.983,1.339 -55.1,1.456 -55.1,1.572 -54.983,1.572 -54.867,1.456 -54.75,1.572 -54.633,1.572 -54.633,1.456 -54.75,1.339 -54.633,1.222 -54.633,1.106 -54.75,1.106 -54.867,1.222 -54.983,1.106 -55.1,1.106
  text "Layer" at -54.606,71.9 h0.8
  text "Name" at -50.03,71.9 h0.8
  text "Material" at -39.9,71.9 h0.8
  text "Thickness" at -31.134,71.9 h0.8
  text "Constant" at -24.306,71.9 h0.8
  text "Top Overlay" at -50.03,70.3 h0.8
  text "Top Solder" at -50.03,68.7 h0.8
  text "Solder Resist" at -39.9,68.7 h0.8
  text "0,025mm" at -31.134,68.7 h0.8
  text "4" at -24.306,68.7 h0.8
  text "1" at -54.606,67.1 h0.8
  text "Layer1 Top" at -50.03,67.1 h0.8
  text "0,035mm" at -31.134,67.1 h0.8
  text "Dielectric1" at -50.03,65.5 h0.8
  text "PP-006" at -39.9,65.5 h0.8
  text "0,160mm" at -31.134,65.5 h0.8
  text "4.7" at -24.306,65.5 h0.8
  text "2" at -54.606,63.9 h0.8
  text "Layer2" at -50.03,63.9 h0.8
  text "0,035mm" at -31.134,63.9 h0.8
  text "Dielectric2" at -50.03,62.3 h0.8
  text "Core-039" at -39.9,62.3 h0.8
  text "1,130mm" at -31.134,62.3 h0.8
  text "4.74" at -24.306,62.3 h0.8
  text "3" at -54.606,60.7 h0.8
  text "Layer3" at -50.03,60.7 h0.8
  text "0,035mm" at -31.134,60.7 h0.8
  text "Dielectric3" at -50.03,59.1 h0.8
  text "PP-006" at -39.9,59.1 h0.8
  text "0,160mm" at -31.134,59.1 h0.8
  text "4.7" at -24.306,59.1 h0.8
  text "4" at -54.606,57.5 h0.8
  text "Layer4 Bottom" at -50.03,57.5 h0.8
  text "0,035mm" at -31.134,57.5 h0.8
  text "Bottom Solder" at -50.03,55.9 h0.8
  text "Solder Resist" at -39.9,55.9 h0.8
  text "0,025mm" at -31.134,55.9 h0.8
  text "4" at -24.306,55.9 h0.8
  text "Bottom Overlay" at -50.03,54.3 h0.8
  text "Total board thickness:" at -54.606,52.7 h0.8
  text "1,640mm" at -31.134,52.7 h0.8
  text "Zdiff = 100 Ohm on Layer 1/4 (Ref. layer 2/3)" at -44.75,48 h0.8
  text "L 125um / S 125um / L 125um" at -44.75,46.5 h0.8
  text "Symbol" at -54.898,9.7 h0.84
  text "Hit Count" at -49.613,9.7 h0.84
  text "Finished Hole Size" at -42.864,9.7 h0.84
  text "Plated" at -31.16,9.7 h0.84
  text "Hole Type" at -26.583,9.7 h0.84
  text "Drill Layer Pair" at -19.762,9.7 h0.84
  text "406" at -49.613,7.95 h0.7
  text "0,200mm (7,87mil)" at -42.864,7.95 h0.7
  text "PTH" at -31.16,7.95 h0.7
  text "Round" at -26.583,7.95 h0.7
  text "Layer1 Top - Layer4 Bottom" at -19.762,7.95 h0.7
  text "2" at -49.613,6.2 h0.7
  text "0,800mm (31,50mil)" at -42.864,6.2 h0.7
  text "PTH" at -31.16,6.2 h0.7
  text "Slot" at -26.583,6.2 h0.7
  text "Layer1 Top - Layer4 Bottom" at -19.762,6.2 h0.7
  text "77" at -49.613,4.45 h0.7
  text "1,000mm (39,37mil)" at -42.864,4.45 h0.7
  text "PTH" at -31.16,4.45 h0.7
  text "Round" at -26.583,4.45 h0.7
  text "Layer1 Top - Layer4 Bottom" at -19.762,4.45 h0.7
  text "1" at -49.613,2.7 h0.7
  text "1,000mm (39,37mil)" at -42.864,2.7 h0.7
  text "PTH" at -31.16,2.7 h0.7
  text "Slot" at -26.583,2.7 h0.7
  text "Layer1 Top - Layer4 Bottom" at -19.762,2.7 h0.7
  text "2" at -49.613,0.95 h0.7
  text "1,300mm (51,18mil)" at -42.864,0.95 h0.7
  text "NPTH" at -31.16,0.95 h0.7
  text "Round" at -26.583,0.95 h0.7
  text "Layer1 Top - Layer4 Bottom" at -19.762,0.95 h0.7
  text "4" at -49.613,-0.8 h0.7
  text "2,600mm (102,36mil)" at -42.864,-0.8 h0.7
  text "PTH" at -31.16,-0.8 h0.7
  text "Round" at -26.583,-0.8 h0.7
  text "Layer1 Top - Layer4 Bottom" at -19.762,-0.8 h0.7
  text "D" at -55.226,-0.9 h0.78
  text "492 Total" at -49.613,-2.55 h0.7
  text "Slot definitions :" at -54.898,-4.208 h0.7
  text "Routed Path Length" at -46.365,-4.208 h0.7
  text "= Calculated from tool start centre position to tool end centre position." at -36.175,-4.208 h0.7
  text "Hole Length" at -46.365,-5.341 h0.7
  text "= Routed Path Length + Tool Size = Slot length as defined in the PCB layout" at -40.171,-5.341 h0.7

## Dimensions
75,69 to 75,0 on Drill Drawing
0,69 to 75,69 on Drill Drawing

## Text inside footprints (layer, text, board x,y; h text height)
J1: Top Overlay "K40" at 60.285,61.17 h0.5 r270; Top Overlay "J40" at 61.555,61.17 h0.5 r270; Top Overlay "H40" at 62.825,61.17 h0.5 r270; Top Overlay "G40" at 64.095,61.17 h0.5 r270; Top Overlay "F40" at 65.365,61.17 h0.5 r270; Top Overlay "E40" at 66.635,61.17 h0.5 r270; Top Overlay "D40" at 67.905,61.17 h0.5 r270; Top Overlay "C40" at 69.175,61.17 h0.5 r270; Top Overlay "B40" at 70.445,61.17 h0.5 r270; Top Overlay "A40" at 71.715,61.17 h0.5 r270; Top Overlay "A1" at 71.715,8.465 h0.5 r270; Top Overlay "B1" at 70.445,8.465 h0.5 r270; Top Overlay "C1" at 69.175,8.465 h0.5 r270; Top Overlay "D1" at 67.905,8.465 h0.5 r270; Top Overlay "E1" at 66.635,8.465 h0.5 r270; Top Overlay "F1" at 65.365,8.465 h0.5 r270; Top Overlay "G1" at 64.095,8.465 h0.5 r270; Top Overlay "H1" at 62.825,8.465 h0.5 r270; Top Overlay "K1" at 60.285,8.465 h0.5 r270
J4_CAM1: Bottom Overlay "3" at 26.6,9 h0.5; Bottom Overlay "1" at 20.4,9 h0.5
J4_CAM2: Bottom Overlay "3" at 26.6,26 h0.5; Bottom Overlay "1" at 20.4,26 h0.5
J4_CAM3: Bottom Overlay "3" at 26.6,43 h0.5; Bottom Overlay "1" at 20.4,43 h0.5
J4_CAM4: Bottom Overlay "1" at 20.2,60 h0.5; Bottom Overlay "3" at 26.6,60 h0.5
J5: Bottom Overlay "1" at 41.8,19.2 h0.5; Bottom Overlay "6" at 55.6,19.2 h0.5
J6: Bottom Overlay "6" at 55.4,36 h0.5; Bottom Overlay "1" at 41.8,36 h0.5
J7_CAM1: Bottom Overlay "22" at 4.75,3.5 h0.5 r270; Bottom Overlay "1" at 4.75,14 h0.5 r270
J7_CAM2: Bottom Overlay "22" at 4.75,20.5 h0.5 r270; Bottom Overlay "1" at 4.75,31 h0.5 r270
J7_CAM3: Bottom Overlay "22" at 4.75,37.5 h0.5 r270; Bottom Overlay "1" at 4.75,48 h0.5 r270
J7_CAM4: Bottom Overlay "1" at 4.75,65 h0.5 r270; Bottom Overlay "22" at 4.75,54.5 h0.5 r270
J8: Bottom Overlay "1" at 41.8,38.8 h0.5; Bottom Overlay "6" at 55.4,38.6 h0.5
J10_CAM1: Bottom Overlay "1" at 40.8,12.8 h0.5; Bottom Overlay "4" at 49.4,12.8 h0.5
J10_CAM2: Bottom Overlay "1" at 40.8,29.8 h0.5; Bottom Overlay "4" at 49.4,29.8 h0.5
J10_CAM3: Bottom Overlay "1" at 40.8,46.8 h0.5; Bottom Overlay "4" at 49.4,46.8 h0.5
J10_CAM4: Bottom Overlay "4" at 49.6,63.8 h0.5; Bottom Overlay "1" at 40.6,63.8 h0.5
J11_CAM1: Bottom Overlay "1" at 40.8,10 h0.5; Bottom Overlay "4" at 49.4,10.2 h0.5
J11_CAM2: Bottom Overlay "1" at 40.8,27.2 h0.5; Bottom Overlay "4" at 49.4,27.2 h0.5
J11_CAM3: Bottom Overlay "1" at 40.8,44.2 h0.5; Bottom Overlay "4" at 49.4,44.2 h0.5
J11_CAM4: Bottom Overlay "1" at 40.6,61.2 h0.5; Bottom Overlay "4" at 49.6,61.2 h0.5
T1: Drill Drawing "All drills (PTH and NPTH) should run in one work process" at -56,-21 h0.8; Mechanical 16 "A" at 79.883,66.95 h0.5; Mechanical 16 "B" at 79.883,46.95 h0.5; Mechanical 16 "C" at 79.883,26.95 h0.5; Mechanical 16 "D" at 79.883,6.95 h0.5; Mechanical 16 "E" at 79.883,-13.05 h0.5; Mechanical 16 "E" at -59.117,-13.05 h0.5; Mechanical 16 "D" at -59.117,6.95 h0.5; Mechanical 16 "C" at -59.117,26.95 h0.5; Mechanical 16 "B" at -59.117,46.95 h0.5; Mechanical 16 "A" at -59.117,66.95 h0.5; Mechanical 16 "2" at -29.75,76.5 h0.5; Mechanical 16 "3" at -9.75,76.5 h0.5; Mechanical 16 "4" at 10.25,76.5 h0.5; Mechanical 16 "5" at 30.25,76.5 h0.5; Mechanical 16 "6" at 50.25,76.5 h0.5; Mechanical 16 "7" at 70.25,76.5 h0.5; Mechanical 16 "1" at -49.75,76.5 h0.5; Mechanical 16 "1" at -49.75,-22.5 h0.5; Mechanical 16 "7" at 70.25,-22.5 h0.5; Mechanical 16 "6" at 50.25,-22.5 h0.5; Mechanical 16 "5" at 30.25,-22.5 h0.5; Mechanical 16 "4" at 10.25,-22.5 h0.5; Mechanical 16 "3" at -9.75,-22.5 h0.5; Mechanical 16 "2" at -29.75,-22.5 h0.5; Mechanical 16 "Bare Board Revision:" at 51,-9.5 h0.89; Mechanical 16 "Bare Board Number:" at 51,-14 h0.89; Mechanical 16 "Technologies" at 21.25,-11.25 h0.89; Mechanical 16 "File Name:" at 12,-18.5 h0.89; Mechanical 16 "PCB Designer:" at 12,-14 h0.89; Mechanical 16 "Title:" at -4,-9.5 h0.89; Mechanical 16 "Date:" at -4,-18.5 h0.89; Mechanical 16 "Allied Vision" at 21.25,-9.75 h0.89; Mechanical 16 "Taschenweg 2a" at 30.5,-9.75 h0.89; Mechanical 16 "Stadtroda" at 30.75,-11.5 h0.89; Mechanical 16 "Germany" at 43.25,-9.75 h0.89; Mechanical 16 "Layer Name:" at 28,-14 h0.89; Mechanical 16 "Project:" at -4,-14 h0.89
T2: Mechanical 15 "Bare Board Revision:" at 23.5,-9.5 h0.89; Mechanical 15 "Bare Board Number:" at 23.5,-14 h0.89; Mechanical 15 "Technologies" at 53.25,-11.25 h0.89; Mechanical 15 "File Name:" at 62.5,-18.5 h0.89; Mechanical 15 "PCB Designer:" at 62.5,-14 h0.89; Mechanical 15 "Title:" at 78.5,-9.5 h0.89; Mechanical 15 "Date:" at 78.5,-18.5 h0.89; Mechanical 15 "Allied Vision" at 53.25,-9.75 h0.89; Mechanical 15 "Taschenweg 2a" at 44,-9.75 h0.89; Mechanical 15 "Stadtroda" at 43.75,-11.5 h0.89; Mechanical 15 "Germany" at 31.25,-9.75 h0.89; Mechanical 15 "Layer Name:" at 46.5,-14 h0.89; Mechanical 15 "A" at -58.883,66.95 h0.5; Mechanical 15 "B" at -58.883,46.95 h0.5; Mechanical 15 "C" at -58.883,26.95 h0.5; Mechanical 15 "D" at -58.883,6.95 h0.5; Mechanical 15 "E" at -58.883,-13.05 h0.5; Mechanical 15 "E" at 80.117,-13.05 h0.5; Mechanical 15 "D" at 80.117,6.95 h0.5; Mechanical 15 "C" at 80.117,26.95 h0.5; Mechanical 15 "B" at 80.117,46.95 h0.5; Mechanical 15 "A" at 80.117,66.95 h0.5; Mechanical 15 "2" at 50.75,76.5 h0.5; Mechanical 15 "3" at 30.75,76.5 h0.5; Mechanical 15 "4" at 10.75,76.5 h0.5; Mechanical 15 "5" at -9.25,76.5 h0.5; Mechanical 15 "6" at -29.25,76.5 h0.5; Mechanical 15 "7" at -49.25,76.5 h0.5; Mechanical 15 "1" at 70.75,76.5 h0.5; Mechanical 15 "1" at 70.75,-22.5 h0.5; Mechanical 15 "7" at -49.25,-22.5 h0.5; Mechanical 15 "6" at -29.25,-22.5 h0.5; Mechanical 15 "5" at -9.25,-22.5 h0.5; Mechanical 15 "4" at 10.75,-22.5 h0.5; Mechanical 15 "3" at 30.75,-22.5 h0.5; Mechanical 15 "2" at 50.75,-22.5 h0.5; Mechanical 15 "Project:" at 78.5,-14 h0.89